# Altium PCB PCB_v2.PcbDoc (part 7 of 8)
Units mil, origin at the board's own origin, x right, y up, seen from the top; angles counter-clockwise.
Board outline 17000 x 5250 mil, 4 copper layers (Top Side, Ground Layer, Power Layer, Bottom Side), stack 33.2 mil thick; 671 components, 580 nets, 2819 pads, 990 vias.
Unrouted connection lines stored in the file: 104.
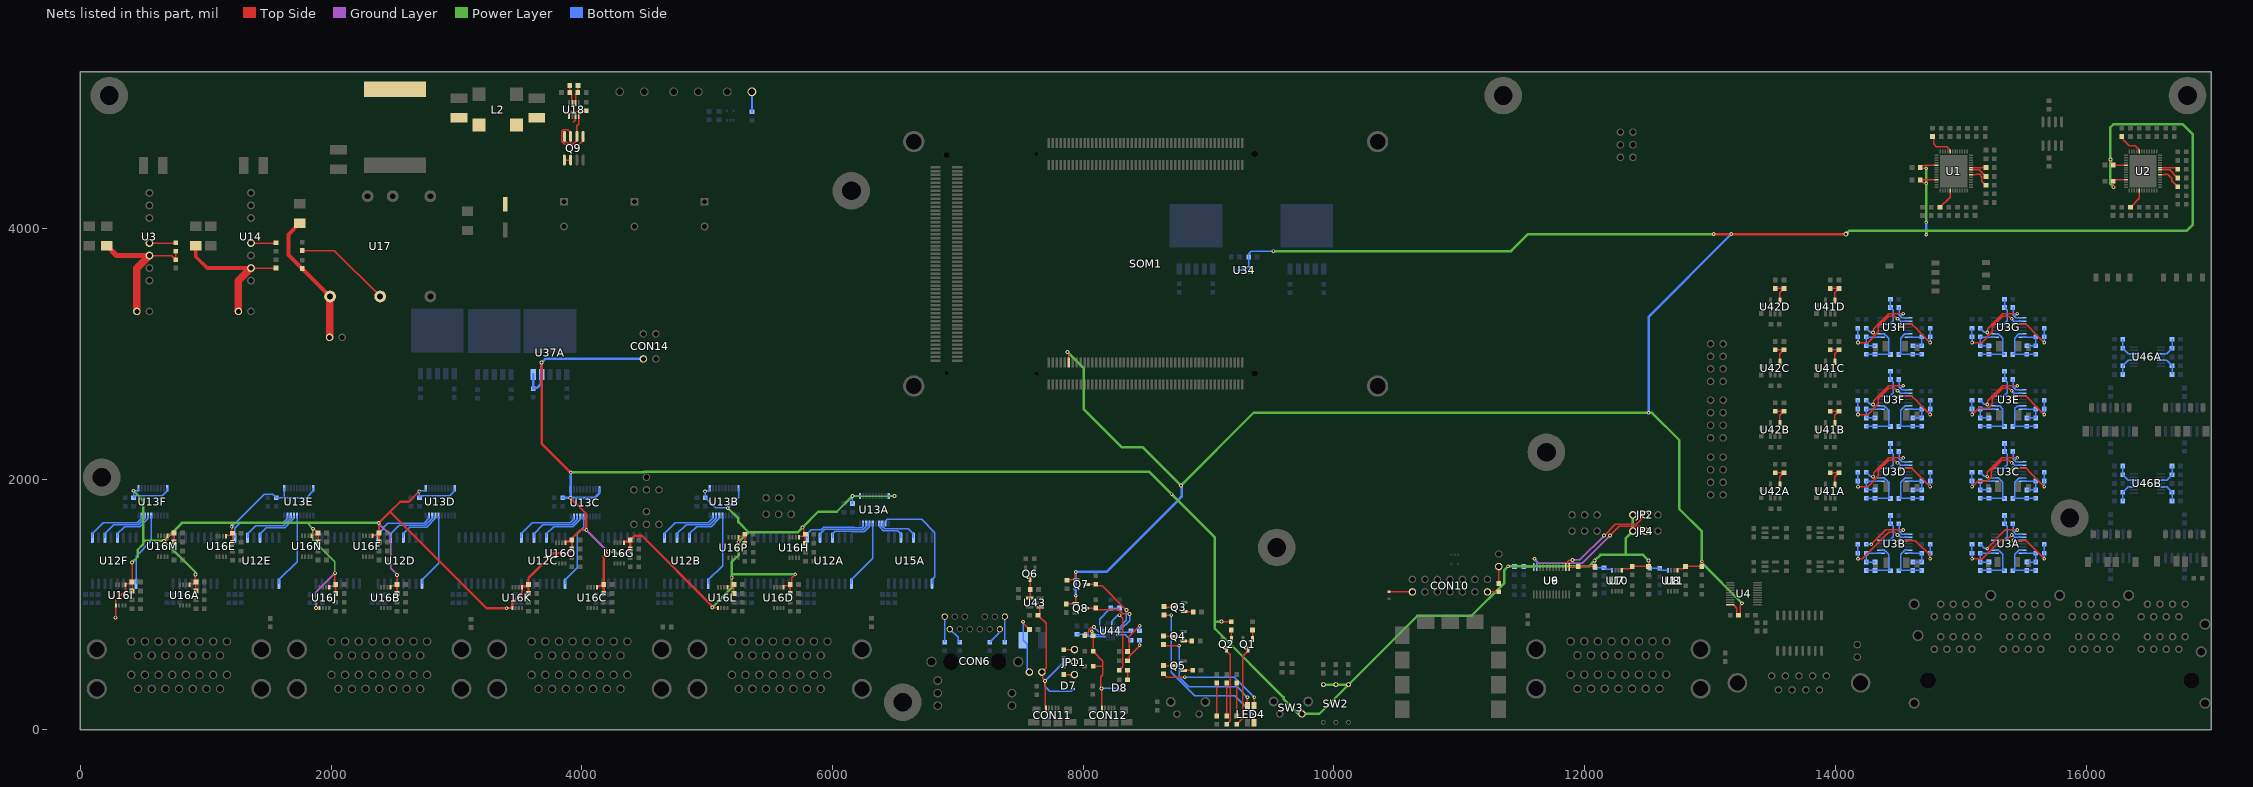
[diagram p9: the nets of this part, all layers, seen from the top]

## Via types
v1: diameter 30, hole 15, Top Side to Bottom Side, 922 vias
v2: diameter 25, hole 15, Top Side to Bottom Side, 30 vias
v3: diameter 60, hole 30, Top Side to Bottom Side, 29 vias
v4: diameter 50, hole 28, Top Side to Bottom Side, 7 vias
v5: diameter 40, hole 20, Top Side to Bottom Side, 2 vias

## Nets (pads, with @x,y where several pads share a name; then routed paths per layer and width w, separated by ;. In a path a pad name is that pad's centre, name@x,y a point inside that pad or via, vN(x,y) a via of type N, cw(c..) or ccw(c..) an arc to the next point about the centre after c; other vN are vias at no path point) (continued)
LVA: C5.1 C10.1 C28.1 C35.1 C56.1 C62.1 C64.1 C66.1 C68.1 C70.1 C72.1 C74.1 C76.1 C78.1 C80.1 C82.1 C84.1 C85.1 C89A.1 C89B.1 C89C.1 C89D.1 C89E.1 C89F.1 C89G.1 C89H.1 C89I.1 C89J.1 C89K.1 C89L.1 C89M.1 C89N.1 C89O.1 C89P.1 C92A.1 C92B.1 C92C.1 C92D.1 C92E.1 C92F.1 C93A.1 C93B.1 C93C.1 C93D.1 C93E.1 C93F.1 C93G.1 C93H.1 C93I.1 C93J.1 C93K.1 C93L.1 C93M.1 C93N.1 C93O.1 C93P.1 C158A.1 CON14.1 JP2.3 JP4.3 Q7.1 Q8.1 R28.2 R47.2 R50.2 SOM1.JX2-11 SW2.2 SW2.4 SW2.6 SW3.2 U1.31 U1.37 U2.31 U2.37 U4.20 U6.1 U7.1 U8.1 U9.1 U10.1 U11.1 U13A.1 U13A.10 U13B.1 U13B.10 U13C.1 U13C.10 U13D.1 U13D.10 U13E.1 U13E.10 U13F.1 U13F.10 U16A.1 U16B.1 U16C.1 U16D.1 U16E.1 U16F.1 U16G.1 U16H.1 U16I.1 U16I.5 U16J.1 U16J.5 U16K.1 U16K.5 U16L.1 U16L.5 U16M.1 U16N.1 U16O.1 U16P.1 U34.1 U34.5 U37A.4 U37A.5 | length 54759
  Top Side w10: v1(280,895) 281.61,896.61 281.61,990.49 U16I.5@283.23,992.11 283.23,1036.6 360,1113.38 U16I.1@360,1157.87 360,1163.03 363.27,1166.3 397.83,1166.3 C93I.1@411.54,1180 ; C89I.1@411.54,1108.33 C93I.1@411.54,1180 ; v1(411.54,1335.87) C93I.1@411.54,1180 ; v1(666.36,1507.89) 682.89,1507.89 695,1520 U16M.1@695,1547.87 695,1557.11 698.27,1560.37 736.91,1560.37 C93M.1@746.54,1570 C89M.1@746.54,1498.33 ; U16A.1@870,1157.87 870,1163.03 873.27,1166.3 907.83,1166.3 C93A.1@921.54,1180 ; v1(917.6,1240) 917.6,1183.94 C93A.1@921.54,1180 ; C89A.1@921.54,1108.33 C93A.1@921.54,1180 ; U16E.1@1161.77,1545.77 1161.77,1550.92 1165.04,1554.19 1199.61,1554.19 C93E.1@1213.31,1567.89 ; v1(1206,1619.76) 1206,1575.2 C93E.1@1213.31,1567.89 ; C89E.1@1213.31,1496.23 C93E.1@1213.31,1567.89 ; U16N.1@1843.88,1547.87 1843.88,1553.03 1847.15,1556.3 1881.72,1556.3 C93N.1@1895.42,1570 ; v1(1855,1604.58) 1858.83,1600.76 1864.66,1600.76 C93N.1@1895.42,1570 ; v1(1880,972.11) U16J.5@1908.23,972.11 ; C89N.1@1895.42,1498.33 C93N.1@1895.42,1570 ; U16J.1@1985,1137.87 1985,1143.03 1988.27,1146.3 2022.83,1146.3 C93J.1@2036.54,1160 ; v1(2030,1250) 2030,1166.54 C93J.1@2036.54,1160 ; C89J.1@2036.54,1088.33 C93J.1@2036.54,1160 ; U16B.1@2474.24,1137.87 2474.24,1145.2 2477.5,1148.46 2514.24,1148.46 C93B.1@2525.77,1160 ; C89B.1@2525.77,1088.33 C93B.1@2525.77,1160 ; v1(2525.77,1236.14) C93B.1@2525.77,1160 ; v1(5040,975) 5082.01,975 U16L.5@5084.91,972.11 ; U16L.1@5161.68,1137.87 5161.68,1143.03 5164.94,1146.3 5199.51,1146.3 C93L.1@5213.21,1160 ; v1(5195,1215) 5195,1209.59 5199.51,1205.08 5199.51,1173.7 C93L.1@5213.21,1160 ; C89L.1@5213.21,1088.33 C93L.1@5213.21,1160 ; v1(5250,1497.14) 5249.09,1498.05 5249.09,1536.52 U16P.1@5248.18,1537.43 5248.18,1542.59 5251.45,1545.86 5286.02,1545.86 C93P.1@5299.72,1559.56 C89P.1@5299.72,1487.89 ; U16D.1@5610,1137.87 5610,1147.11 5613.27,1150.37 5651.91,1150.37 C93D.1@5661.54,1160 ; C89D.1@5661.54,1088.33 C93D.1@5661.54,1160 ; v1(5702.79,1240.49) 5675.24,1212.93 5675.24,1173.7 C93D.1@5661.54,1160 ; U16H.1@5732.54,1537.43 5732.54,1542.59 5735.8,1545.86 5770.37,1545.86 C93H.1@5784.07,1559.56 ; v1(5760,1615.35) 5760,1609.94 5770.37,1599.57 5770.37,1573.26 C93H.1@5784.07,1559.56 ; C89H.1@5784.07,1487.89 C93H.1@5784.07,1559.56 ; R50.2@7865,999.53 7872.87,1007.4 Q8.1@7938.66,1007.4 7940,1008.74 v1(7940,1070) ; R47.2@7870,1189.53 7877.87,1197.4 Q7.1@7943.66,1197.4 7940,1201.06 v1(7940,1260) ; v1(7875,3015) 7875,3009.59 7884.13,3000.45 SOM1.JX2-11@7884.13,2930 ; v1(9102.35,863.46) R28.2@9179.65,863.46 ; U6.1@11875.75,1300.24 11946.77,1300.24 C64.1@11950,1303.46 C62.1@12080,1303.46 v1(12080,1350) ; U7.1@12295.98,1272.88 12295.98,1282.12 12299.25,1285.38 12361.92,1285.38 C68.1@12380,1303.46 C66.1@12510,1303.46 v1(12510,1350) ; U8.1@12741.77,1272.88 12741.77,1282.12 12745.04,1285.38 12786.92,1285.38 C70.1@12805,1303.46 C72.1@12935,1303.46 v1(12935,1345) ; U4.20@13160.75,996.65 13189.29,996.65 13213.98,971.97 13213.98,928.94 C56.1@13227.68,915.24 13241.38,928.94 13241.38,990.97 13255,1004.59 v1(13255,1010) ; v1(14725,4360) 14721.17,4363.83 14701.17,4363.83 C10.1@14678.46,4386.54 14679.57,4387.64 U1.37@14809,4387.64 ; v1(14725,4480) 14685,4480 C5.1@14678.46,4486.54 14692.17,4500.24 14702.81,4500.24 14708.32,4505.75 U1.31@14809,4505.75 ; v1(16195,4550) 16195,4544.59 16204.76,4534.82 16204.76,4520.24 C28.1@16218.46,4506.54 16219.25,4505.75 U2.31@16319,4505.75 ; v1(16218.46,4329.27) C35.1@16218.46,4375.8 ; C35.1@16218.46,4386.54 16219.57,4387.64 U2.37@16319,4387.64
  Top Side w18: U16F.1@2330,1547.87 2330,1554.46 2330.73,1555.2 2366.73,1555.2 C93F.1@2381.54,1570 ; C89F.1@2381.54,1498.33 C93F.1@2381.54,1570 ; v1(2703.31,1902.6) 2620.86,1820.15 2550.15,1820.15 2470,1740 ; C89K.1@3573.61,1088.33 C93K.1@3573.61,1160 ; U16O.1@3869.02,1492.87 3869.02,1500.64 3869.75,1501.37 3887.96,1501.37 3892.85,1506.27 3911.82,1506.27 C93O.1@3920.55,1515 ; v1(3910,1850) 4035.67,1724.33 v1(4035.67,1595) 3986.47,1595 3920.55,1529.08 C93O.1@3920.55,1515 ; U16C.1@4122.15,1137.87 4122.15,1145.64 4122.88,1146.37 4141.09,1146.37 4145.98,1151.27 4164.95,1151.27 C93C.1@4173.69,1160 ; C89C.1@4173.69,1088.33 C93C.1@4173.69,1160 ; v1(4209.35,1421.31) 4173.69,1385.64 C93C.1@4173.69,1160 ; U16G.1@4335.54,1492.87 4335.54,1499.46 4336.27,1500.2 4372.27,1500.2 C93G.1@4387.07,1515 C89G.1@4387.07,1454.55 ; C93F.1@2381.54,1570 2380.77,1570.77 2380.77,1649.23 v1(2380,1650) 2470,1740 ; 2470,1740 3240,970 v1(3400,970) 3401.05,971.05 3444.57,971.05 3445.3,971.79 U16K.5@3445.3,972.11 3445.3,1016.61 3522.07,1093.37 U16K.1@3522.07,1137.87 3522.07,1144.46 3522.8,1145.2 3558.8,1145.2 C93K.1@3573.61,1160 ; C93K.1@3573.61,1160 3573.61,1210.62 3771.56,1408.58 3885.79,1408.58 C89O.1@3920.55,1443.33 C93O.1@3920.55,1515
  Top Side w19: v1(4343.74,1400) C89G.1@4387.07,1443.33
  Top Side w20: v1(3679,2930) 3679,2286 v1(3910.94,2054.06) ; C93G.1@4387.07,1515 4420.77,1548.7 4478.91,1548.7 5038.09,989.53 5038.09,976.91 v1(5040,975) ; v1(13030,3955) v1(13170,3955) v5(14085,3955)
  Ground Layer w10: v1(1880,972.11) 1880,1100 v1(2030,1250) ; v1(2380,1650) 2380,1644.64 2473.65,1551 2473.65,1288.27 v1(2525.77,1236.14)
  Ground Layer w18: v1(4035.67,1595) v1(4209.35,1421.31)
  Power Layer w10: 1807.98,1651.6 v1(1855,1604.58) 1855,1514.79 2030,1339.79 v1(2030,1250) ; v1(6158.31,1864.96) v1(6494.98,1865)
  Power Layer w18: v1(4209.35,1421.31) 4265.89,1421.31 4287.2,1400 v1(4343.74,1400)
  Power Layer w20: v1(411.54,1335.87) 456.72,1381.06 456.72,1436.72 500,1480 500,1507.89 ; v1(423.31,1907.6) 500,1830.91 500,1507.89 ; v1(917.6,1240) 915.69,1241.91 915.69,1258.57 v1(666.36,1507.89) ; v1(1206,1619.76) 1207.91,1621.68 1207.91,1646.2 1213.31,1651.6 ; v1(2380,1650) 2378.4,1651.6 1807.98,1651.6 1213.31,1651.6 ; v1(3910.94,2054.06) 4490.43,2054.06 4496.36,2059.99 8525.29,2059.99 v1(8705.28,1880) 9050,1535.28 9050,860 ; v1(5040,975) 5195,1130 v1(5195,1215) 5195,1236.54 ; v1(5163.8,1770) 5248.5,1685.3 5248.5,1657.37 5331.28,1574.58 ; v1(5702.79,1240.49) 5198.95,1240.49 5195,1236.54 ; v1(6158.31,1864.96) 6033.5,1740.16 5884.8,1740.16 5760.18,1615.53 5760.18,1615.18 5759.82,1615.18 5719.23,1574.58 5331.28,1574.58 ; v1(7875,3015) 7875,3013.2 8002.34,2885.86 8002.34,2559.32 8306.04,2255.62 8474.38,2255.62 v1(8780,1950) ; v1@8780,1950.91 8780.91,1950.91 9360,2530 v1(12510,2530) 12511.91,2528.09 12539.08,2528.09 12755,2312.17 12755,1762.26 12935,1582.26 v1(12935,1345) 12935,1330 v1(13255,1010) ; v1(9102.35,863.46) 9053.46,863.46 9050,860 ; v1(9518.43,3818.89) 11413.09,3818.89 11549.2,3955 v1(13030,3955) ; SW2.2@9915,360 SW2.4@10015,360 SW2.6@10115,360 ; JP2.3@12385,1715 JP4.3@12385,1585 12330,1530 12330,1395.38 ; v1(12510,1350) 12510,1351.73 12466.35,1395.38 12330,1395.38 ; v5(14085,3955) 14110,3980 14725,3980 ; v1(14725,3950) 14725,3980 ; v1(14725,4048.59) v1(14725,4360) v1(14725,4480) ; v1(16218.46,4329.27) 16218.46,4331.97 16195,4355.44 v1(16195,4550) 16195,4807.43 16217.57,4830 16772.43,4830 16853.46,4748.96 16853.46,4030.83 16802.64,3980 14725,3980 ; 500,1507.89 v1(666.36,1507.89) ; v1(666.36,1507.89) 666.36,1508.78 809.17,1651.6 1213.31,1651.6 ; 5195,1236.54 5195,1337.99 5250,1392.99 v1(5250,1497.14) 5289.68,1536.82 5293.52,1536.82 5331.28,1574.58 ; 9050,860 9050,806.51 9597.8,258.72 9597.8,246.52 9716.72,127.6 SW3.2@9745,127.6 9882.6,127.6 SW2.6@10115,360 ; SW2.6@10115,360 10665,910 11098.64,910 11360,1171.36 11360,1275 v1(11390,1305) 12035,1305 v1(12080,1350) 12125.38,1395.38 12330,1395.38
  Bottom Side w10: C92F.1@423.09,1852.6 C92F.1@423.31,1852.81 ; U13F.1@462.72,1927.6 462.72,1911.85 458.86,1907.99 423.7,1907.99 v1(423.31,1907.6) C92F.1@423.31,1852.81 ; U13F.10@693.03,1927.6 689.17,1923.74 689.17,1901.72 653.75,1866.3 436.8,1866.3 C92F.1@423.31,1852.81 ; v1(1206,1619.76) 1467.53,1881.3 1532.46,1881.3 C92E.1@1561.17,1852.6 1625.94,1852.6 U13E.1@1625.94,1927.6 ; 1630,1852.6 1803.28,1852.6 1852.4,1901.72 1852.4,1923.74 U13E.10@1856.26,1927.6 ; U13D.1@2754.76,1921.1 2754.76,1911.85 2750.91,1907.99 2714.11,1907.99 2708.72,1902.6 v1(2703.31,1902.6) 2703.31,1853.53 C92D.1@2704.24,1852.6 2717.94,1866.3 2945.8,1866.3 2981.22,1901.72 2981.22,1917.24 U13D.10@2985.08,1921.1 ; U13B.1@5020.02,1927.6 5020.02,1911.85 5016.17,1907.99 4994.11,1907.99 4989.58,1903.46 4983.31,1903.46 v1(4983.31,1902.6) 4983.31,1854.67 C92B.1@4985.38,1852.6 5067.98,1770 v1(5163.8,1770) 5250.34,1856.54 U13B.10@5250.34,1926.85 ; C92A.1@6158.45,1804.96 6158.31,1805.1 v1(6158.31,1864.96) U13A.1@6218.24,1865 U13A.1@6218.24,1865 ; U13A.10@6448.56,1865 v1(6494.98,1865) ; U34.5@9245.71,3666.54 9248.58,3669.41 9268.94,3669.41 9288.78,3689.25 9317.64,3689.25 U34.1@9320.51,3692.13 9320.51,3770.67 C85.1@9319.65,3771.54 9319.65,3800.11 9338.42,3818.89 v1(9518.43,3818.89) ; v1(11390,1305) 11438.46,1305 C76.1@11440,1303.46 C74.1@11515,1303.46 11517.32,1301.14 11593.35,1301.14 U9.1@11594.25,1300.24 ; v1(12080,1350) 12080,1298.46 C80.1@12085,1293.46 C78.1@12155,1293.46 12168.7,1279.76 12216.73,1279.76 12220,1276.5 U10.1@12220,1272.87 ; v1(12510,1350) 12510,1298.46 C84.1@12520,1288.46 C82.1@12600,1288.46 12613.7,1274.76 12663.11,1274.76 U11.1@12665,1272.87
  Bottom Side w20: U37A.5@3611.99,2835.64 C158A.1@3611.97,2719.99 3619.86,2727.88 3640.67,2727.88 3673.44,2760.65 3673.44,2830.09 U37A.4@3679,2835.65 v1(3679,2930) 3708.17,2959.17 CON14.1@4490,2959.17 ; C92C.1@3847.31,1852.6 3848.61,1851.3 3908.7,1851.3 v1(3910,1850) ; v1(3910.94,2054.06) U13C.1@3910.94,1920 3910.8,1919.85 3910.8,1850.8 v1(3910,1850) ; U13C.10@4141.26,1920 4140.12,1918.86 4140.12,1889.77 4100.35,1850 v1(3910,1850) ; v1(7940,1070) v1(7940,1260) 8185,1260 8755.31,1830.31 ; v1(8705.28,1880) 8705.61,1880 8755.31,1830.31 ; v1(8780,1950) 8785.31,1944.69 8785.31,1860.31 8755.31,1830.31 ; v1(12510,2530) 12510,3295 v1(13170,3955) ; v1(14725,3950) v1(14725,4048.59)
NetC19_1: C19.1 U1.45 | length 164.4
  Top Side w10: C19.1@14835,4170 14915.47,4250.47 U1.45@14915.47,4301.04
NetC20_1: C20.1 U1.6 | length 180.1
  Top Side w10: U1.6@15081,4427.01 15118.02,4427.01 15123.34,4432.32 15150.36,4432.32 15169.09,4413.58 15169.09,4377.44 C20.1@15201.54,4345
NetC21_1: C21.1 U1.9 | length 120.7
  Top Side w10: U1.9@15081,4486.06 15201.06,4486.06 C21.1@15201.54,4486.54
NetC22_1: C22.1 U1.22 | length 228.6
  Top Side w10: C22.1@14775,4733.07 14785,4723.07 14785,4674.64 14806.61,4653.04 14890.93,4653.04 14914.47,4629.49 14914.47,4613.04 U1.22@14915.47,4612.04
NetC23_1: C23.1 U1.8 | length 141.8
  Top Side w10: U1.8@15081,4466.38 15150.16,4466.38 C23.1@15201.54,4415
NetC29_1: C29.1 U2.45 | length 160.2
  Top Side w10: C29.1@16355,4170 16425.47,4240.47 U2.45@16425.47,4301.04
NetC30_1: C30.1 U2.6 | length 195.5
  Top Side w10: U2.6@16591,4427.01 16623.02,4427.01 16628.34,4432.32 16650.36,4432.32 16684.1,4398.58 16684.1,4379.48 C30.1@16731.54,4332.04
NetC36_1: C36.1 U2.9 | length 146.3
  Top Side w10: U2.9@16591,4486.06 16591.63,4485.43 16718.14,4485.43 C36.1@16731.54,4472.04
NetC41_1: C41.1 U2.22 | length 208.1
  Top Side w10: C41.1@16285,4733.07 16298.7,4719.37 16298.7,4705.94 16344.64,4660 16393.96,4660 16424.47,4629.49 16424.47,4613.04 U2.22@16425.47,4612.04
NetC42_1: C42.1 U2.8 | length 167.2
  Top Side w10: U2.8@16591,4466.38 16667.19,4466.38 C42.1@16731.54,4402.04
NetC47A_1: C47A.1 R4A.1 R6A.2 U3A.2 | length 405
  Bottom Side w10: R4A.1@15156.63,1271.54 15348.17,1271.54 R6A.2@15349.7,1270 15336,1283.7 15336,1399.02 15310.54,1424.48 15310.18,1424.48 15300.49,1434.17 U3A.2@15273.92,1434.17
NetC47A_2: C47A.2 R2A.1 R4A.2 U3A.1 | length 259.4
  Bottom Side w10: C47A.2@15226.63,1338.46 R4A.2@15156.63,1338.46 R2A.1@15156.63,1410 15158.06,1408.58 U3A.1@15273.92,1408.58
NetC47B_1: C47B.1 R4B.1 R6B.2 U3B.2 | length 405
  Bottom Side w10: R4B.1@14246.63,1271.54 14438.17,1271.54 R6B.2@14439.7,1270 14426,1283.7 14426,1399.02 14400.54,1424.48 14400.18,1424.48 14390.49,1434.17 U3B.2@14363.92,1434.17
NetC47B_2: C47B.2 R2B.1 R4B.2 U3B.1 | length 259.4
  Bottom Side w10: C47B.2@14316.63,1338.46 R4B.2@14246.63,1338.46 R2B.1@14246.63,1410 14248.06,1408.58 U3B.1@14363.92,1408.58
NetC47C_1: C47C.1 R4C.1 R6C.2 U3C.2 | length 405
  Bottom Side w10: R4C.1@15156.63,1846.54 15348.17,1846.54 R6C.2@15349.7,1845 15336,1858.7 15336,1974.02 15310.54,1999.48 15310.18,1999.48 15300.49,2009.17 U3C.2@15273.92,2009.17
NetC47C_2: C47C.2 R2C.1 R4C.2 U3C.1 | length 259.4
  Bottom Side w10: C47C.2@15226.63,1913.46 R4C.2@15156.63,1913.46 R2C.1@15156.63,1985 15158.06,1983.58 U3C.1@15273.92,1983.58
NetC47D_1: C47D.1 R4D.1 R6D.2 U3D.2 | length 405
  Bottom Side w10: R4D.1@14246.63,1846.54 14438.17,1846.54 R6D.2@14439.7,1845 14426,1858.7 14426,1974.02 14400.54,1999.48 14400.18,1999.48 14390.49,2009.17 U3D.2@14363.92,2009.17
NetC47D_2: C47D.2 R2D.1 R4D.2 U3D.1 | length 259.4
  Bottom Side w10: C47D.2@14316.63,1913.46 R4D.2@14246.63,1913.46 R2D.1@14246.63,1985 14248.06,1983.58 U3D.1@14363.92,1983.58
NetC47E_1: C47E.1 R4E.1 R6E.2 U3E.2 | length 408.7
  Bottom Side w10: R4E.1@15156.63,2421.54 C47E.1@15226.63,2421.54 R6E.2@15348.17,2421.54 ; U3E.2@15273.92,2584.17 15310.83,2584.17 15336,2559 15336,2433.7 R6E.2@15348.17,2421.54 ; R6E.2@15349.7,2420 R6E.2@15348.17,2421.54
NetC47E_2: C47E.2 R2E.1 R4E.2 U3E.1 | length 259.4
  Bottom Side w10: C47E.2@15226.63,2488.46 R4E.2@15156.63,2488.46 R2E.1@15156.63,2560 15158.06,2558.58 U3E.1@15273.92,2558.58
NetC47F_1: C47F.1 R4F.1 R6F.2 U3F.2 | length 405
  Bottom Side w10: R4F.1@14246.63,2421.54 14438.17,2421.54 R6F.2@14439.7,2420 14426,2433.7 14426,2549.02 14400.54,2574.48 14400.18,2574.48 14390.49,2584.17 U3F.2@14363.92,2584.17
NetC47F_2: C47F.2 R2F.1 R4F.2 U3F.1 | length 259.4
  Bottom Side w10: C47F.2@14316.63,2488.46 R4F.2@14246.63,2488.46 R2F.1@14246.63,2560 14248.06,2558.58 U3F.1@14363.92,2558.58
NetC47G_1: C47G.1 R4G.1 R6G.2 U3G.2 | length 405
  Bottom Side w10: R4G.1@15156.63,2996.54 15348.17,2996.54 R6G.2@15349.7,2995 15336,3008.7 15336,3124.02 15310.54,3149.48 15310.18,3149.48 15300.49,3159.17 U3G.2@15273.92,3159.17
NetC47G_2: C47G.2 R2G.1 R4G.2 U3G.1 | length 259.4
  Bottom Side w10: C47G.2@15226.63,3063.46 R4G.2@15156.63,3063.46 R2G.1@15156.63,3135 15158.06,3133.58 U3G.1@15273.92,3133.58
NetC47H_1: C47H.1 R4H.1 R6H.2 U3H.2 | length 405
  Bottom Side w10: R4H.1@14246.63,2996.54 14438.17,2996.54 R6H.2@14439.7,2995 14426,3008.7 14426,3124.02 14400.54,3149.48 14400.18,3149.48 14390.49,3159.17 U3H.2@14363.92,3159.17
NetC47H_2: C47H.2 R2H.1 R4H.2 U3H.1 | length 259.4
  Bottom Side w10: C47H.2@14316.63,3063.46 R4H.2@14246.63,3063.46 R2H.1@14246.63,3135 14248.06,3133.58 U3H.1@14363.92,3133.58
NetC48A_2: C48A.2 R5A.2 U3A.5 | length 289
  Bottom Side w10: U3A.5@15273.92,1510.94 15342.93,1510.94 15371.63,1539.64 15371.63,1623.07 R5A.2@15349.7,1645 C48A.2@15349.7,1710
NetC48B_2: C48B.2 R5B.2 U3B.5 | length 289
  Bottom Side w10: U3B.5@14363.92,1510.94 14432.93,1510.94 14461.63,1539.64 14461.63,1623.07 R5B.2@14439.7,1645 C48B.2@14439.7,1710
NetC48C_2: C48C.2 R5C.2 U3C.5 | length 289
  Bottom Side w10: U3C.5@15273.92,2085.94 15342.93,2085.94 15371.63,2114.64 15371.63,2198.07 R5C.2@15349.7,2220 C48C.2@15349.7,2285
NetC48D_2: C48D.2 R5D.2 U3D.5 | length 289
  Bottom Side w10: U3D.5@14363.92,2085.94 14432.93,2085.94 14461.63,2114.64 14461.63,2198.07 R5D.2@14439.7,2220 C48D.2@14439.7,2285
NetC48E_2: C48E.2 R5E.2 U3E.5 | length 289
  Bottom Side w10: U3E.5@15273.92,2660.94 15342.93,2660.94 15371.63,2689.64 15371.63,2773.07 R5E.2@15349.7,2795 C48E.2@15349.7,2860
NetC48F_2: C48F.2 R5F.2 U3F.5 | length 289
  Bottom Side w10: U3F.5@14363.92,2660.94 14432.93,2660.94 14461.63,2689.64 14461.63,2773.07 R5F.2@14439.7,2795 C48F.2@14439.7,2860
NetC48G_2: C48G.2 R5G.2 U3G.5 | length 289
  Bottom Side w10: U3G.5@15273.92,3235.94 15342.93,3235.94 15371.63,3264.64 15371.63,3348.07 R5G.2@15349.7,3370 C48G.2@15349.7,3435
NetC48H_2: C48H.2 R5H.2 U3H.5 | length 289
  Bottom Side w10: U3H.5@14363.92,3235.94 14432.93,3235.94 14461.63,3264.64 14461.63,3348.07 R5H.2@14439.7,3370 C48H.2@14439.7,3435
NetC49A_1: C49A.1 R6A.1 R7A.1 U3A.13 | length 395
  Bottom Side w10: U3A.13@15492.42,1434.17 15491.51,1433.26 15464.58,1433.26 15430.33,1399.02 15430.33,1283.7 R6A.1@15416.63,1270 15418.17,1271.54 C49A.1@15599.7,1271.54
NetC49A_2: C49A.2 R7A.2 R8A.1 U3A.14 | length 252.5
  Bottom Side w10: U3A.14@15492.42,1408.58 15598.28,1408.58 R8A.1@15599.7,1410 C49A.2@15599.7,1338.46 R7A.2@15526.63,1338.46
NetC49B_1: C49B.1 R6B.1 R7B.1 U3B.13 | length 395
  Bottom Side w10: U3B.13@14582.42,1434.17 14581.51,1433.26 14554.58,1433.26 14520.33,1399.02 14520.33,1283.7 R6B.1@14506.63,1270 14508.17,1271.54 C49B.1@14689.7,1271.54
NetC49B_2: C49B.2 R7B.2 R8B.1 U3B.14 | length 252.5
  Bottom Side w10: U3B.14@14582.42,1408.58 14688.28,1408.58 R8B.1@14689.7,1410 C49B.2@14689.7,1338.46 R7B.2@14616.63,1338.46
NetC49C_1: C49C.1 R6C.1 R7C.1 U3C.13 | length 395
  Bottom Side w10: U3C.13@15492.42,2009.17 15491.51,2008.26 15464.58,2008.26 15430.33,1974.02 15430.33,1858.7 R6C.1@15416.63,1845 15418.17,1846.54 C49C.1@15599.7,1846.54
NetC49C_2: C49C.2 R7C.2 R8C.1 U3C.14 | length 252.5
  Bottom Side w10: U3C.14@15492.42,1983.58 15598.28,1983.58 R8C.1@15599.7,1985 C49C.2@15599.7,1913.46 R7C.2@15526.63,1913.46
NetC49D_1: C49D.1 R6D.1 R7D.1 U3D.13 | length 395
  Bottom Side w10: U3D.13@14582.42,2009.17 14581.51,2008.26 14554.58,2008.26 14520.33,1974.02 14520.33,1858.7 R6D.1@14506.63,1845 14508.17,1846.54 C49D.1@14689.7,1846.54
NetC49D_2: C49D.2 R7D.2 R8D.1 U3D.14 | length 252.5
  Bottom Side w10: U3D.14@14582.42,1983.58 14688.28,1983.58 R8D.1@14689.7,1985 C49D.2@14689.7,1913.46 R7D.2@14616.63,1913.46
NetC49E_1: C49E.1 R6E.1 R7E.1 U3E.13 | length 401.5
  Bottom Side w10: R6E.1@15416.63,2420 R6E.1@15418.17,2421.54 ; U3E.13@15492.42,2584.17 15491.51,2583.26 15449.89,2583.26 15430.33,2563.7 15430.33,2433.7 R6E.1@15418.17,2421.54 ; C49E.1@15599.7,2421.54 R7E.1@15526.63,2421.54 R6E.1@15418.17,2421.54
NetC49E_2: C49E.2 R7E.2 R8E.1 U3E.14 | length 252.5
  Bottom Side w10: U3E.14@15492.42,2558.58 15598.28,2558.58 R8E.1@15599.7,2560 C49E.2@15599.7,2488.46 R7E.2@15526.63,2488.46
NetC49F_1: C49F.1 R6F.1 R7F.1 U3F.13 | length 395
  Bottom Side w10: U3F.13@14582.42,2584.17 14581.51,2583.26 14554.58,2583.26 14520.33,2549.02 14520.33,2433.7 R6F.1@14506.63,2420 14508.17,2421.54 C49F.1@14689.7,2421.54
NetC49F_2: C49F.2 R7F.2 R8F.1 U3F.14 | length 252.5
  Bottom Side w10: U3F.14@14582.42,2558.58 14688.28,2558.58 R8F.1@14689.7,2560 C49F.2@14689.7,2488.46 R7F.2@14616.63,2488.46
NetC49G_1: C49G.1 R6G.1 R7G.1 U3G.13 | length 395
  Bottom Side w10: U3G.13@15492.42,3159.17 15491.51,3158.26 15464.58,3158.26 15430.33,3124.02 15430.33,3008.7 R6G.1@15416.63,2995 15418.17,2996.54 C49G.1@15599.7,2996.54
NetC49G_2: C49G.2 R7G.2 R8G.1 U3G.14 | length 252.5
  Bottom Side w10: U3G.14@15492.42,3133.58 15598.28,3133.58 R8G.1@15599.7,3135 C49G.2@15599.7,3063.46 R7G.2@15526.63,3063.46
NetC49H_1: C49H.1 R6H.1 R7H.1 U3H.13 | length 395
  Bottom Side w10: U3H.13@14582.42,3159.17 14581.51,3158.26 14554.58,3158.26 14520.33,3124.02 14520.33,3008.7 R6H.1@14506.63,2995 14508.17,2996.54 C49H.1@14689.7,2996.54
NetC49H_2: C49H.2 R7H.2 R8H.1 U3H.14 | length 252.5
  Bottom Side w10: U3H.14@14582.42,3133.58 14688.28,3133.58 R8H.1@14689.7,3135 C49H.2@14689.7,3063.46 R7H.2@14616.63,3063.46
NetC57_2: C57.2 CON6.12 | length 204.1
  Bottom Side w10: C57.2@6895,698.9 CON6.12@6895,903.03
NetC58_2: C58.2 CON6.6 | length 137.2
  Bottom Side w10: CON6.6@6935.08,803.03 7001.3,736.81 7001.3,712.6 C58.2@7015,698.9